# Altium PCB Cell_121.PcbDoc (part 1 of 3)
Units mm, origin at the board's own origin, x right, y up, seen from the top; angles counter-clockwise.
Board outline 240 x 140.7 mm, 2 copper layers (Top Layer, Bottom Layer); 104 components, 188 nets, 1002 pads, 411 vias.
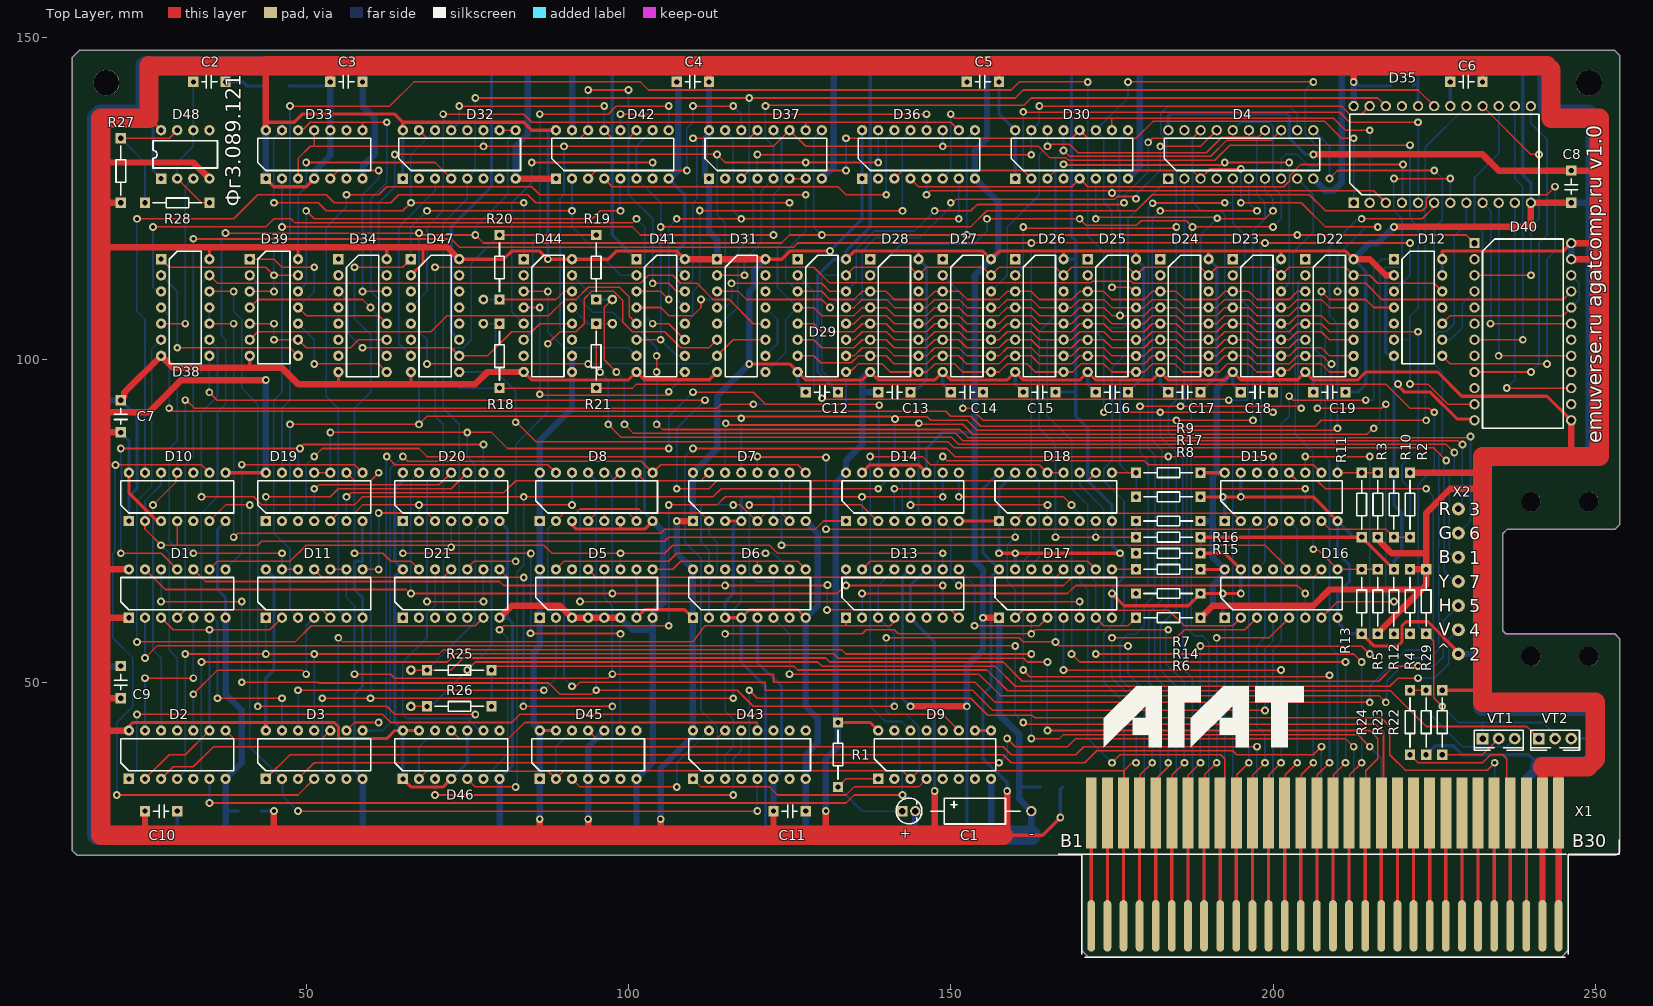
[diagram p0: Top Layer view]
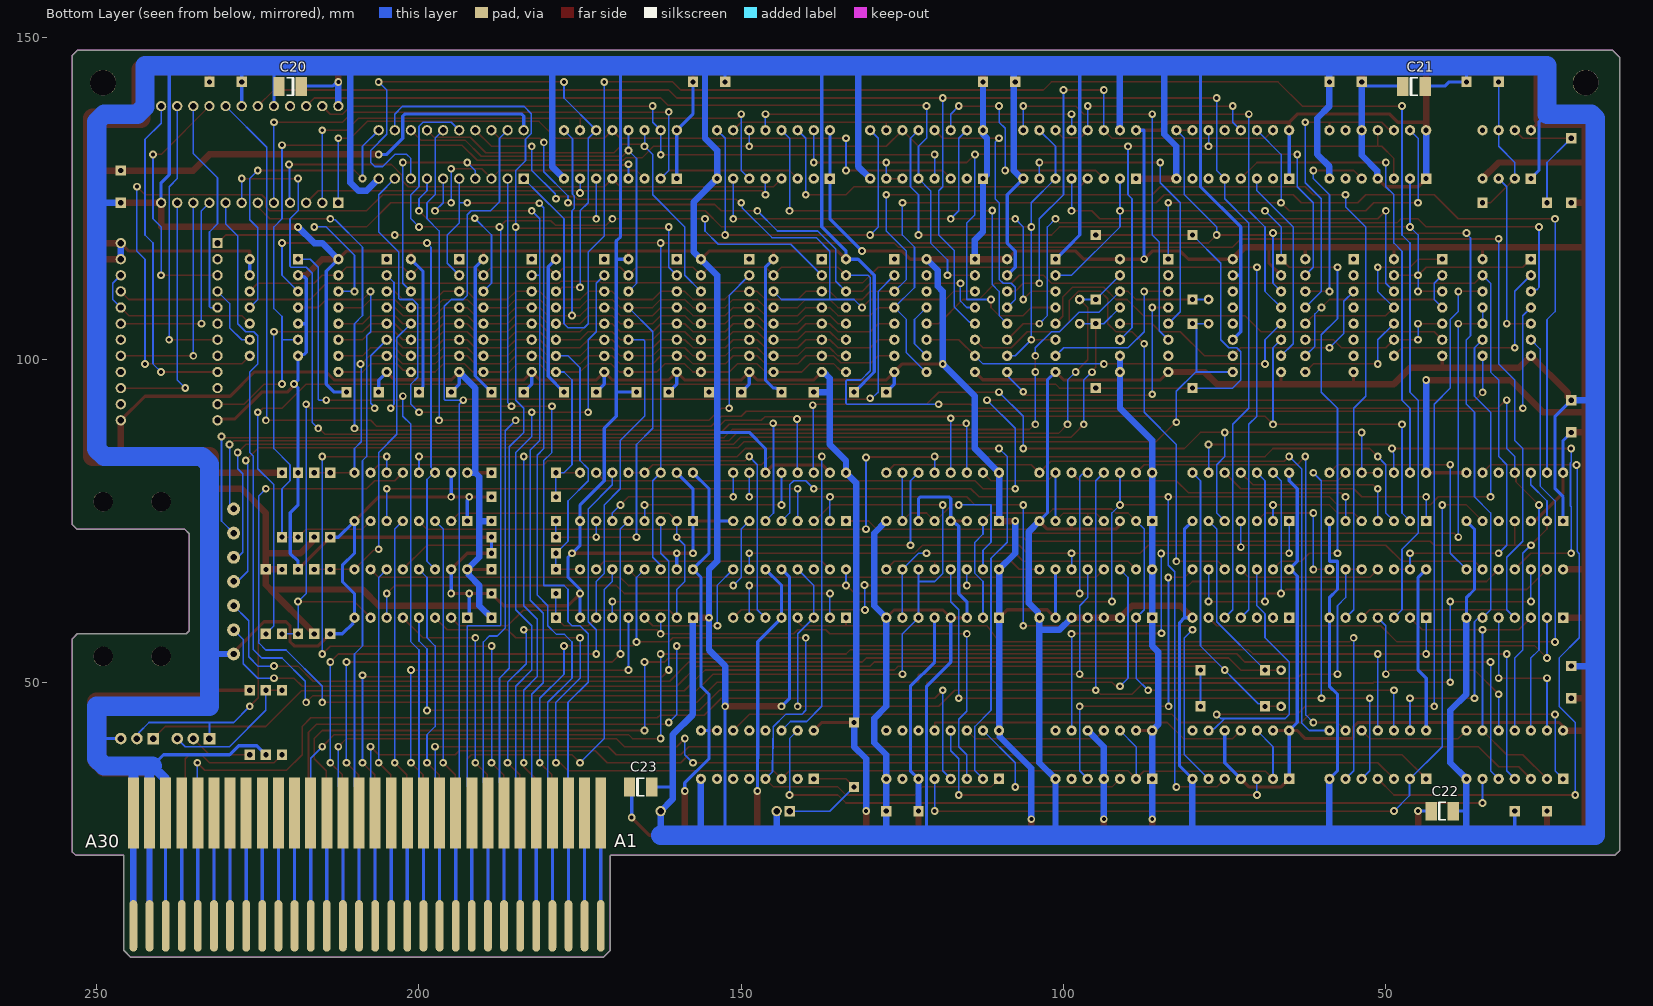
[diagram p1: Bottom Layer view, seen from below]
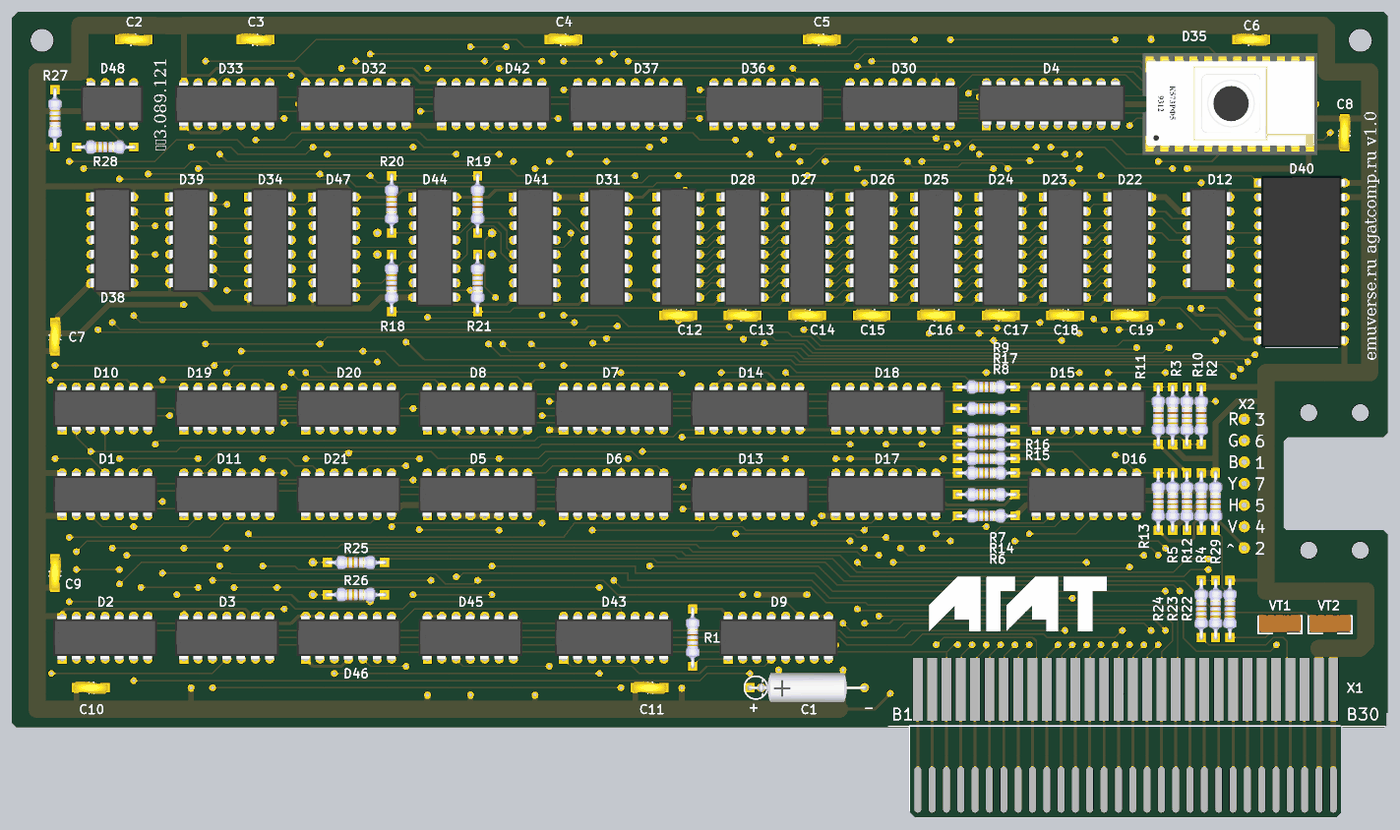
[diagram p4: 3D render of the assembled board from above, using the file's embedded part models]
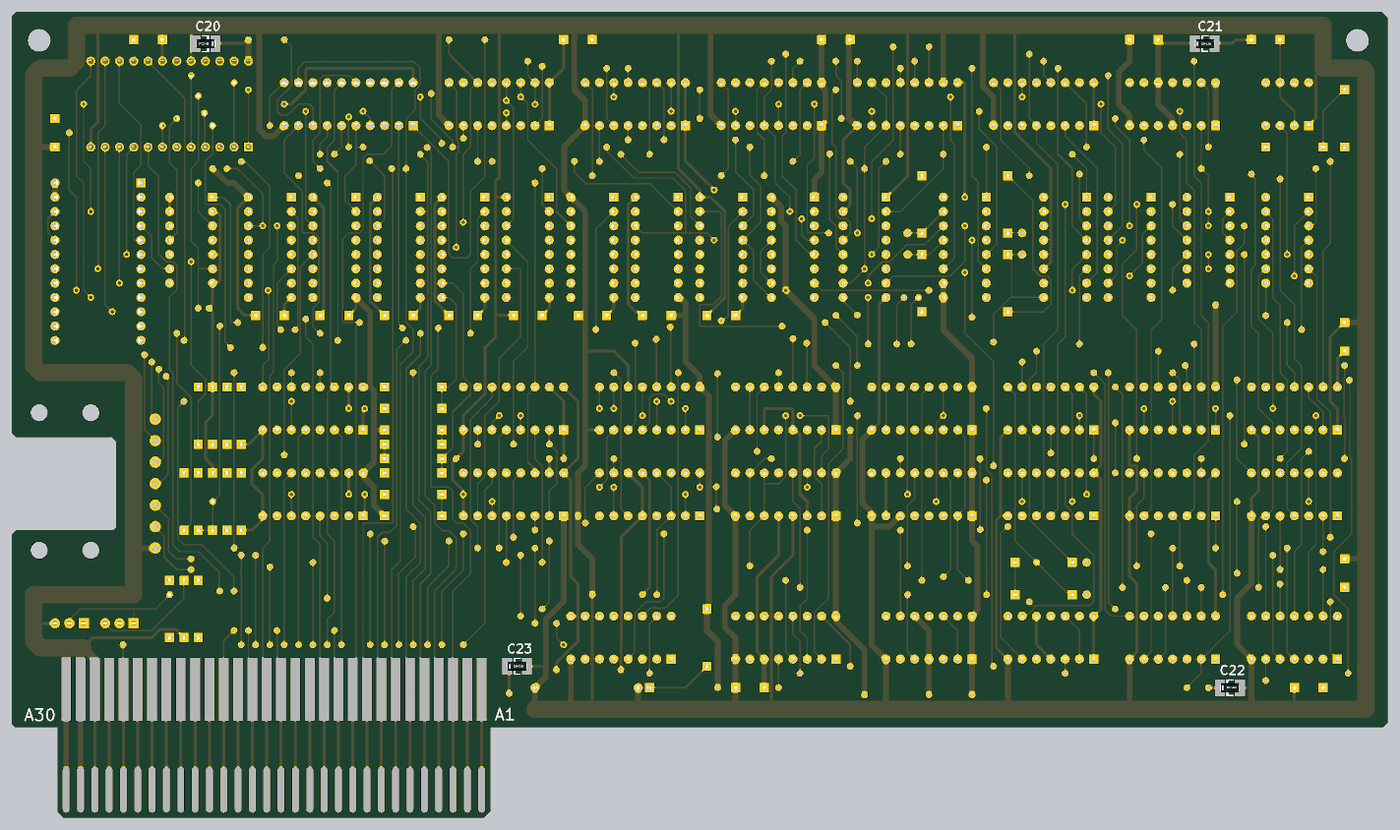
[diagram p5: 3D render of the assembled board from below, using the file's embedded part models]

## Layer stack, top to bottom
Top Solder: solder mask 0.0102, Solder Resist, Dk 3.5
Top Layer: signal copper 0.0356
Dielectric 1: dielectric 0.32, FR-4, Dk 4.8
Bottom Layer: signal copper 0.0356
Bottom Solder: solder mask 0.0102, Solder Resist, Dk 3.5

## Board outline
170.275,23.125 170.3,23.1 170.3,8.4 171.4,7.3 244.7,7.3 245.8,8.4 245.8,23.125 253.225,23.125 253.75,23.65 253.75,56.75 253,57.5 236.1,57.5 235.625,57.975 235.625,73.025 236.35,73.75 253.05,73.75 253.75,74.45 253.75,147.25 253,148 14.8,148 13.75,146.95 13.75,23.85 14.475,23.125

## Design rules (kind name [scope] priority, off if disabled: settings)
Clearance [All] p1: gap=0.2 ignorepadtopadclearanceinfootprint=FALSE except(0: Arc-Hole Track-Hole SMDPad-Hole THPad-Hole Via-Hole Fill-Hole Poly-Hole Region-Hole Text-Hole; 0.15: Arc-THPad Track-THPad)
HoleSize [All] p1: absolutevalues=TRUE maxlimit=4 minlimit=0.025 maxpercent=80.000 minpercent=20.000
MinimumSolderMaskSliver [All] p1: minsoldermaskwidth=0.15
PolygonConnect [All] p1: connectstyle=Relief reliefconductorwidth=0.254 reliefentries=4 polygonreliefangle="90 Angle" airgapwidth=0.254
RoutingVias [All] p1: holewidth=0.6 width=1.2 viastyle="Through Hole" minholewidth=0.5 minwidth=1.2 maxholewidth=1 maxwidth=1.5
SilkToSilkClearance [All] p1 off: silktosilkclearance=0.254
SilkToSolderMaskClearance [IsPad] p1 off: minsilkscreentomaskgap=0.2 clearancetoexposedcopper=TRUE
SolderMaskExpansion [All] p1: expansion=0.102 istentingtop=FALSE
Width [All] p1: maxlimit=5 minlimit=0.2 preferedwidth=0.25
26 further rules are at their usual default settings.

## Components (designator, comment, footprint, x,y, rotation, side; value= is the part's Value field where it differs from the comment)
C1 "10,0" CP25 142.5,30 r90 top
C2 "0,15" C5 32.5,143.125 r90 top
C3 "0,1 мкф" C5 53.75,143.125 r90 top
C4 "0,1 мкф" C5 107.5,143.125 r90 top
C5 "0,1 мкф" C5 152.5,143.125 r90 top
C6 "0,1 мкф" C5 227.5,143.125 r90 top
C7 "0,1 мкф" C5 21.25,88.75 r180 top
C8 "0,1 мкф" C5 246.25,124.375 r180 top
C9 "0,1 мкф" C5 21.25,47.5 r180 top
C10 "0,1 мкф" C5 30,30 r270 top
C11 "0,1 мкф" C5 127.5,30 r270 top
C12 "0,1 мкф" C5 132.5,95 r270 top
C13 "0,1 мкф" C5 143.75,95 r270 top
C14 "0,1 мкф" C5 155,95 r270 top
C15 "0,1 мкф" C5 166.25,95 r270 top
C16 "0,1 мкф" C5 177.5,95 r270 top
C17 "0,1 мкф" C5 188.75,95 r270 top
C18 "0,1 мкф" C5 200,95 r270 top
C19 "0,1 мкф" C5 211.25,95 r270 top
C20 "47 мкф" "SMD D" 219.991,142.411 r0 bottom
C21 "47 мкф" "SMD D" 45.632,142.421 r180 bottom
C22 "47 мкф" "SMD D" 41.25,30 r180 bottom
C23 "47 мкф" "SMD D" 165.625,33.75 r180 bottom
D1 "К555ЛИ1" 201.14 22.5,60 r90 top
D2 "К555ЛЕ1" 201.14 22.5,35 r90 top
D3 "К555ЛН1" 201.14 43.75,35 r90 top
D4 "К555ИР22" 201.20 183.75,128.125 r90 top
D5 "К555ИЕ10" 201.16 86.25,60 r90 top
D6 "К555ИЕ10" 201.16 110,60 r90 top
D7 "К555ИЕ10" 201.16 110,75 r90 top
D8 "К555ИЕ10" 201.16 86.25,75 r90 top
D9 "К555ИР11А" 201.16 138.75,35 r90 top
D10 "К555ИР16" 201.14 22.5,75 r90 top
D11 "К555ЛА3" 201.14 43.75,60 r90 top
D12 "К555ЛП5" 201.14 218.75,115.625 r0 top
D13 "К155ИМ3" 201.16 133.75,60 r90 top
D14 "К555КП11" 201.16 133.75,75 r90 top
D15 "К555КП12" 201.16 192.5,75 r90 top
D16 "К555КП12" 201.16 192.5,60 r90 top
D17 "К555КП12" 201.16 157.5,60 r90 top
D18 "К555КП12" 201.16 157.5,75 r90 top
D19 "К555ЛЕ1" 201.14 43.75,75 r90 top
D20 "К555ЛИ3" 201.14 65,75 r90 top
D21 "К555ЛЕ1" 201.14 65,60 r90 top
D22 "К565РУ5" 201.16 205,115.624 r0 top
D23 "К565РУ5" 201.16 193.75,115.625 r0 top
D24 "К565РУ5" 201.16 182.503,115.628 r0 top
D25 "К565РУ5" 201.16 171.247,115.621 r0 top
D26 "К565РУ5" 201.16 160.003,115.628 r0 top
D27 "К565РУ5" 201.16 148.75,115.625 r0 top
D28 "К565РУ5" 201.16 137.5,115.625 r0 top
D29 "К565РУ5" 201.16 126.25,115.625 r0 top
D30 "К555ТМ9" 201.16 160,128.125 r90 top
D31 "К555ТМ9" 201.16 113.75,115.625 r0 top
D32 "К555ИР11А" 201.16 65,128.125 r90 top
D33 "К555ТМ2" 201.14 43.75,128.125 r90 top
D34 "К555ИД4" 201.16 55,115.625 r0 top
D35 "К573РФ2" "2120.24 socket" 212.5,124.375 r90 top
D36 "К555ИР11А" 201.16 136.25,128.125 r90 top
D37 "К555ИР11А" 201.16 112.5,128.125 r90 top
D38 "К555ЛИ1" 201.14 27.5,115.625 r0 top
D39 "К555ЛИ3" 201.14 41.25,115.625 r0 top
D40 "К155ИР13" 2120.24 231.25,118.125 r0 top
D41 "К555КП12" 201.16 101.25,115.625 r0 top
D42 "К555КП12" 201.16 88.75,128.125 r90 top
D43 "К555ИД7" 201.16 110,35 r90 top
D44 "К555ИР11А" 201.16 83.75,115.625 r0 top
D45 "К555ТМ2" 201.14 86.25,35 r90 top
D46 "К555ТМ2" 201.14 65,35 r90 top
D47 "К555КП11" 201.16 66.25,115.625 r0 top
D48 "КР1006ВИ1" 2101.8 27.5,128.125 r90 top
R1 "2,7 к" R10 132.5,33.75 r180 top
R2 "1K" R10 221.25,72.5 r180 top
R3 "1K" R10 216.25,72.5 r180 top
R4 "1K" R10 221.25,57.5 r180 top
R5 "1K" R10 216.25,57.5 r180 top
R6 "1K" R10 178.75,60 r90 top
R7 "1K" R10 178.75,67.5 r90 top
R8 "1K" R10 178.75,75 r90 top
R9 "1K" R10 178.75,82.5 r90 top
R10 "1K" R10 218.75,72.5 r180 top
R11 "1K" R10 213.75,72.5 r180 top
R12 "1K" R10 218.75,57.5 r180 top
R13 "1K" R10 213.75,57.5 r180 top
R14 "1K" R10 178.75,63.75 r90 top
R15 "1K" R10 178.75,70 r90 top
R16 "1K" R10 178.75,72.5 r90 top
R17 "1K" R10 178.75,78.75 r90 top
R18 "1 к" R10 80,105.625 r0 top
R19 "1 к" R10 95,119.375 r0 top
R20 "1,5 к" R10 80,119.375 r0 top
R21 "2,2 к" R10 95,105.625 r0 top
R22 "12 Ом" R10 226.25,38.75 r180 top
R23 "270 Ом" R10 223.75,38.75 r180 top
R24 "560 Ом" R10 221.25,38.75 r180 top
R25 "1,2 к" R10 68.75,51.875 r90 top
R26 "1,2 к" R10 68.75,46.25 r90 top
R27 "12 к" R10 21.25,134.375 r0 top
R28 "3,0 М" R10 25,124.375 r90 top
R29 "1K" R10 223.75,57.5 r180 top
VT1 "КТ315" КТ315 232.5,41.25 r0 top
VT2 "КТ315" КТ315 241.25,41.25 r0 top
X1 "Agat-Ext" AGAT_EXT 12.446,7.03 r0 top
X2 "RGB121" RGB_VIDEO 228.75,76.875 r0 top

## Footprints (in the part's own frame and the unit in brackets; to place one, negate y for a bottom-side part, rotate by r counter-clockwise, add the part's x,y. Pads: shape width x height; smd on the part's side, far side on the other; paste and mask are expansions set on the pad)
201.14 [mm]
  rect 1.6x1.6 hole 0.8: 1(0,0)
  round 1.6 hole 0.8: 2(0,-2.5) 3(0,-5) 4(0,-7.5) 5(0,-10) 6(0,-12.5) 7(0,-15) 8(7.5,-15) 9(7.5,-12.5) 10(7.5,-10) 11(7.5,-7.5) 12(7.5,-5) 13(7.5,-2.5) 14(7.5,0)
  silkscreen extent 1.25,-16.25 6.25,1.25, body extent -0.13,-16.55 7.63,1.55, height 4.5
201.16 [mm]
  rect 1.6x1.6 hole 0.8: 1(0,0)
  round 1.6 hole 0.8: 2(0,-2.5) 3(0,-5) 4(0,-7.5) 5(0,-10) 6(0,-12.5) 7(0,-15) 8(0,-17.5) 9(7.5,-17.5) 10(7.5,-15) 11(7.5,-12.5) 12(7.5,-10) 13(7.5,-7.5) 14(7.5,-5) 15(7.5,-2.5) 16(7.5,0)
  silkscreen extent 1.25,-18.25 6.25,0.63, body extent -0.13,-19.05 7.63,1.55, height 4.5
201.20 [mm]
  rect 1.6x1.6 hole 1: 1(0,0)
  round 1.6 hole 1: 2(0,-2.5) 3(0,-5) 4(0,-7.5) 5(0,-10) 6(0,-12.5) 7(0,-15) 8(0,-17.5) 9(0,-20) 10(0,-22.5) 11(7.5,-22.5) 12(7.5,-20) 13(7.5,-17.5) 14(7.5,-15) 15(7.5,-12.5) 16(7.5,-10) 17(7.5,-7.5) 18(7.5,-5) 19(7.5,-2.5) 20(7.5,0)
  silkscreen extent 1.25,-23.5 6.25,0.63, body extent 0.02,-24.2 7.78,1.4, height 4.5
2101.8 [mm]
  rect 1.6x1.6 hole 0.8: 1(0,0)
  round 1.6 hole 0.8: 2(0,-2.5) 3(0,-5) 4(0,-7.5) 5(7.5,-7.5) 6(7.5,-5) 7(7.5,-2.5) 8(7.5,0)
  silkscreen extent 1.63,-8.75 5.87,1.25, body extent -0.13,-9.1 7.63,1.7, height 4.5
2120.24 [mm]
  rect 1.6x1.6 hole 1: 1(0,0)
  round 1.6 hole 1: 2(0,-2.5) 3(0,-5) 4(0,-7.5) 5(0,-10) 6(0,-12.5) 7(0,-15) 8(0,-17.5) 9(0,-20) 10(0,-22.5) 11(0,-25) 12(0,-27.5) 13(15,-27.5) 14(15,-25) 15(15,-22.5) 16(15,-20) 17(15,-17.5) 18(15,-15) 19(15,-12.5) 20(15,-10) 21(15,-7.5) 22(15,-5) 23(15,-2.5) 24(15,0)
  silkscreen extent 1.25,-28.75 13.75,0.63, body extent -0.15,-28.75 15.15,1.25, height 5.5
"2120.24 socket" [mm]
  rect 1.6x1.6 hole 1: 1(0,0)
  round 1.6 hole 1: 2(0,-2.5) 3(0,-5) 4(0,-7.5) 5(0,-10) 6(0,-12.5) 7(0,-15) 8(0,-17.5) 9(0,-20) 10(0,-22.5) 11(0,-25) 12(0,-27.5) 13(15,-27.5) 14(15,-25) 15(15,-22.5) 16(15,-20) 17(15,-17.5) 18(15,-15) 19(15,-12.5) 20(15,-10) 21(15,-7.5) 22(15,-5) 23(15,-2.5) 24(15,0)
  silkscreen extent 1.25,-28.75 13.75,0.63, body extent -1.39,-28.98 16.39,1.5, height 8.2
AGAT_EXT [mm]
  rrect100% 1.2x8 smd far side: A1(159.354,5.17) A2(161.854,5.17) A3(164.354,5.17) A4(166.854,5.17) A5(169.354,5.17) A6(171.854,5.17) A7(174.354,5.17) A8(176.854,5.17) A9(179.354,5.17) A10(181.854,5.17) A11(184.354,5.17) A12(186.854,5.17) A13(189.354,5.17) A14(191.854,5.17) A15(194.354,5.17) A16(196.854,5.17) A17(199.354,5.17) A18(201.854,5.17) A19(204.354,5.17) A20(206.854,5.17) A21(209.354,5.17) A22(211.854,5.17) A23(214.354,5.17) A24(216.854,5.17) A25(219.354,5.17) A26(221.854,5.17) A27(224.354,5.17) A28(226.854,5.17) A29(229.354,5.17) A30(231.854,5.17)
  rect 1.7x11 smd far side: A1(159.354,22.67) A2(161.854,22.67) A3(164.354,22.67) A4(166.854,22.67) A5(169.354,22.67) A6(171.854,22.67) A7(174.354,22.67) A8(176.854,22.67) A9(179.354,22.67) A10(181.854,22.67) A11(184.354,22.67) A12(186.854,22.67) A13(189.354,22.67) A14(191.854,22.67) A15(194.354,22.67) A16(196.854,22.67) A17(199.354,22.67) A18(201.854,22.67) A19(204.354,22.67) A20(206.854,22.67) A21(209.354,22.67) A22(211.854,22.67) A23(214.354,22.67) A24(216.854,22.67) A25(219.354,22.67) A26(221.854,22.67) A27(224.354,22.67) A28(226.854,22.67) A29(229.354,22.67) A30(231.854,22.67)
  rrect100% 1.2x8 smd: B1(159.354,5.17) B2(161.854,5.17) B3(164.354,5.17) B4(166.854,5.17) B5(169.354,5.17) B6(171.854,5.17) B7(174.354,5.17) B8(176.854,5.17) B9(179.354,5.17) B10(181.854,5.17) B11(184.354,5.17) B12(186.854,5.17) B13(189.354,5.17) B14(191.854,5.17) B15(194.354,5.17) B16(196.854,5.17) B17(199.354,5.17) B18(201.854,5.17) B19(204.354,5.17) B20(206.854,5.17) B21(209.354,5.17) B22(211.854,5.17) B23(214.354,5.17) B24(216.854,5.17) B25(219.354,5.17) B26(221.854,5.17) B27(224.354,5.17) B28(226.854,5.17) B29(229.354,5.17) B30(231.854,5.17)
  rect 1.7x11 smd: B1(159.354,22.67) B2(161.854,22.67) B3(164.354,22.67) B4(166.854,22.67) B5(169.354,22.67) B6(171.854,22.67) B7(174.354,22.67) B8(176.854,22.67) B9(179.354,22.67) B10(181.854,22.67) B11(184.354,22.67) B12(186.854,22.67) B13(189.354,22.67) B14(191.854,22.67) B15(194.354,22.67) B16(196.854,22.67) B17(199.354,22.67) B18(201.854,22.67) B19(204.354,22.67) B20(206.854,22.67) B21(209.354,22.67) B22(211.854,22.67) B23(214.354,22.67) B24(216.854,22.67) B25(219.354,22.67) B26(221.854,22.67) B27(224.354,22.67) B28(226.854,22.67) B29(229.354,22.67) B30(231.854,22.67)
  Top Layer lines w0.5: 159.354,8.97 159.354,18 ; 161.854,8.77 161.854,18 ; 164.354,8.87 164.354,18 ; 166.5,18 166.854,17.646 166.854,8.77 ; 169.354,8.77 169.354,18 ; 171.854,8.97 171.854,17.5 ; 174.354,8.87 174.354,17.5 ; 176.854,8.77 176.854,17.5 ; 179.354,9.27 179.354,17.5 ; 181.854,8.97 181.854,17.5 ; 184.354,9.07 184.354,17.5 ; 186.854,8.77 186.854,17.5 ; 189.354,8.77 189.354,17.5 ; 191.854,8.77 191.854,17.5 ; 194.354,8.77 194.354,17.5 ; 196.854,8.77 196.854,17.5 ; 199.354,8.77 199.354,17.5 ; 201.854,8.77 201.854,17.5 ; 204.354,8.77 204.354,17.5 ; 206.854,8.77 206.854,17.5 ; 209.354,8.77 209.354,17.5 ; 211.854,8.87 211.854,17.5 ; 214.354,8.77 214.354,17.5 ; 216.854,8.97 216.854,17.5 ; 219.354,8.77 219.354,17.5 ; 221.854,8.77 221.854,17.5 ; 224.354,8.87 224.354,17.5 ; 226.854,8.77 226.854,17.5
  Top Layer lines w1: 229.354,8.77 229.354,17.5 ; 231.854,8.77 231.854,17.5
  Bottom Layer lines w0.5: 159.354,8.97 159.354,17.5 ; 161.854,8.77 161.854,17.5 ; 164.354,8.97 164.354,18 ; 166.854,8.77 166.854,17.5 ; 169.354,8.77 169.354,17.5 ; 171.854,8.87 171.854,18 ; 174.354,8.97 174.354,17.5 ; 176.854,8.77 176.854,17.5 ; 179.354,9.07 179.354,17.5 ; 181.854,9.17 181.854,17.5 ; 184.354,8.87 184.354,18 ; 186.854,8.77 186.854,17.5 ; 189.354,8.77 189.354,18 ; 191.854,8.77 191.854,17.5 ; 194.354,8.77 194.354,17.5 ; 196.854,8.77 196.854,18 ; 199.354,8.77 199.354,18 ; 201.854,8.77 201.854,18 ; 204.354,8.77 204.354,17.5 ; 206.854,8.77 206.854,17.5 ; 209.354,8.77 209.354,17.5 ; 211.854,8.87 211.854,18 ; 214.354,8.77 214.354,17.5 ; 216.854,8.87 216.854,17.5 ; 219.354,8.77 219.354,17.5 ; 221.854,8.77 221.854,17.5 ; 224.354,8.87 224.354,18 ; 226.854,8.77 226.854,17.5
  Bottom Layer lines w1: 229.354,8.77 229.354,18 ; 231.854,8.77 231.854,17.5
  silkscreen extent 154.27,0.27 241.3,18.5
C5 [mm]
  rect 1.6x1.6 hole 0.8: 1(0,0) 2(0,-5)
  silkscreen extent -1,-3.7 1,-1.3, body extent -1.05,-5.54 1.05,0.46, height 8.1
CP25 [mm]
  rect 1.6x1.6 hole 1: 1(0,0)
  round 1.6 hole 1: 2(0,-2) 2(0,-20)
  silkscreen extent -2,-18.3 2,-4.4, body extent -2.56,-20.42 2.56,0.42, height 5.86
R10 [mm]
  rect 1.6x1.6 hole 0.8: 1(0,0) 2(0,-10)
  silkscreen extent -0.75,-8.8 0.75,-1.2, body extent -1.2,-10.38 1.18,0.38, height 2.41
RGB_VIDEO [mm]
  round 2 hole 1: 1(0,-7.5) 2(0,-22.5) 3(0,0) 4(0,-18.75) 5(0,-15) 6(0,-3.75) 7(0,-11.25)
  body extent -0.5,-23 0.5,0.5, height 7
"SMD D" [mm] "Chip Capacitor; Body 3.81 x 2.54 mm (LxW typ)"
  rect 1.75x2.9 smd: 1(-1.725,0) 2(1.725,0)
  silkscreen extent -0.55,-1.35 0.55,1.35, body extent -1.7,-0.8 1.7,0.8, height 1.9
КТ315 [mm]
  rect 1.8x1.8 hole 1: B(0,0)
  round 1.8 hole 1: C(2.5,0) E(5,0)
  silkscreen extent -1.3,-1.8 6.3,1.3, body extent -1.1,-1.5 6.1,1.5, height 7.5

## Part data
C1: library part К53-14, "К53-14"
C2 C3 C4 C5 C6 C7 C8 C9 C10 C11 C12 C13 C14 C15 C16 C17 C18 C19: library part К10-17, "К10-17"
C20 C21 C22 C23: library part К53-1, "К53-14"
D2 D19 D20 D21 D39: ManufacturerPartNumber=К555ЛА3
D3: ManufacturerPartNumber=К155ЛН1
D5 D6 D7 D8 D9 D10 D32 D36 D37 D44: ManufacturerPartNumber=КР531ИЕ17
D12: ManufacturerPartNumber=К155ЛП5
D13 D43: ManufacturerPartNumber=SN74ALS138
D15 D16 D17 D18 D41 D42: ManufacturerPartNumber=К155КП2
D30 D31: ManufacturerPartNumber=SN74ALS174
D48: ManufacturerPartNumber=К555ИД4
R1 R2 R3 R4 R5 R6 R7 R8 R9 R10 R11 R12 R13 R14 R15 R16 R17 R18 R19 R20 R21 R22 R23 R24 R25 R26 R27 R28 R29: library part С2-23, "Резистор"
D1 D38: ManufacturerPartNumber=К555ЛИ1
D11: ManufacturerPartNumber=К555ЛА3
D14 D47: ManufacturerPartNumber=К555КП11
D22 D23 D24 D25 D26 D27 D28 D29: ManufacturerPartNumber=К565РУ5
D34: ManufacturerPartNumber=К555ИД4

## Free pads (board coordinates)
  round 4 hole 4 unplated: 0(19,143) 0(249,143)
  round 3 hole 3 unplated: 0(240,54) 0(240,78) 0(249,54) 0(249,78)
  round 1.5 hole 0.8: 1(66.25,46.25) 1(66.25,51.875) 1(77.5,105.625) 1(77.5,109.375) 1(97.5,105.625) 1(97.5,109.375)

## Via types
v1: diameter 1.2, hole 0.6, Top Layer to Bottom Layer, 411 vias

## Nets (pads, with @x,y where several pads share a name; then routed paths per layer and width w, separated by ;. In a path a pad name is that pad's centre, name@x,y a point inside that pad or via, vN(x,y) a via of type N, cw(c..) or ccw(c..) an arc to the next point about the centre after c; other vN are vias at no path point)
A0: D9.3 D16.3 D45.2 D45.12 D46.2 D46.12 X1.B3 | length 178.6
  Top Layer w0.25: D46.2@67.5,35 68.679,36.179 87.571,36.179 D45.2@88.75,35 90,36.25 142.5,36.25 D9.3@143.75,35 145,36.25 176.875,36.25 ; v1(175,56.875) 185,56.875 186.25,58.125 195.625,58.125 D16.3@197.5,60 ; X1.B3@176.875,33.75 176.875,36.25 ; v1(178.75,37.5) 178.125,37.5 176.875,36.25
  Bottom Layer w0.25: D46.2@67.5,35 67.5,40 D46.12@70,42.5 ; D45.2@88.75,35 88.75,40 D45.12@91.25,42.5 ; v1(175,56.875) 175,50.625 178.75,46.875 v1(178.75,37.5)
A1: D9.4 D17.13 D43.1 X1.B4 | length 138.2
  Top Layer w0.25: D43.1@110,35 111.25,33.75 121.875,33.75 123.125,32.5 133.75,32.5 135,33.75 140.625,33.75 145,33.75 D9.4@146.25,35 ; v1(140,56.875) 160.625,56.875 161.25,56.25 v1(166.25,56.25) 166.25,56.172 166.797,55.625 v1(177.5,55.625) ; X1.B4@179.375,33.125 179.375,35.625 v1(181.25,37.5)
  Bottom Layer w0.25: 140,56.25 140,45.625 140.625,45 143.125,45 145.022,43.103 145.156,36.193 145.158,36.092 145.229,36.021 D9.4@146.25,35 ; D17.13@165,67.5 166.25,66.25 v1(166.25,56.25) ; v1(177.5,55.625) 177.5,51.25 181.25,47.5 v1(181.25,37.5)
A2: D15.13 D43.2 X1.B5 | length 201.8
  Top Layer w0.25: v1(110,86.25) 149.375,86.25 150.625,85 v1(183.75,85) v1(200,85) ; X1.B5@181.875,33.125 181.875,35 183.75,36.875 v1(183.75,37.5)
  Bottom Layer w0.25: v1(110,86.25) 108.75,85 108.75,71.729 111.25,69.229 111.25,45.625 113.75,43.125 113.75,36.25 D43.2@112.5,35 ; v1(183.75,37.5) 183.75,48.75 181.633,50.867 181.633,59.758 183.75,61.875 v1(183.75,85) ; D15.13@200,82.5 v1(200,85)
A3: D17.3 D43.3 X1.B6 | length 122.7
  Top Layer w0.25: v1(115,57.5) 136.25,57.5 136.875,58.125 141.25,58.125 141.875,57.5 v1(162.5,57.5) 163.125,58.125 v1(183.75,58.125) ; X1.B6@184.375,33.125 184.375,35.625 v1(186.25,37.5)
  Bottom Layer w0.25: D43.3@115,35 115,38.75 116.25,40 116.25,44.229 115,45.479 v1(115,57.5) ; v1(162.5,57.5) D17.3@162.5,60 ; v1(183.75,58.125) 183.75,57.878 183.376,57.504 183.376,52.874 186.25,50 v1(186.25,37.5)
A4: D15.11 X1.B7 | length 93.2
  Top Layer w0.25: X1.B7@186.875,33.125 186.875,35.625 v1(188.75,37.5) ; v1(188.721,55.596) 213.779,55.596 v1(215,54.375) ; v1(205,85) v1(215,85)
  Bottom Layer w0.25: v1(188.721,55.596) 188.735,55.581 188.735,37.515 v1(188.75,37.5) ; D15.11@205,82.5 v1(205,85) ; v1(215,54.375) v1(215,85)
A5: D16.5 X1.B8 | length 37.1
  Top Layer w0.25: X1.B8@189.375,33.125 189.375,35.625 v1(191.25,37.5) ; v1(191.25,56.875) 199.375,56.875 D16.5@202.5,60
  Bottom Layer w0.25: v1(191.25,37.5) v1(191.25,56.875)
A6: D17.11 X1.B9 | length 55.6
  Top Layer w0.25: v1(175,37.5) 176.25,38.75 191.875,38.75 192.5,38.125 192.5,35 191.875,34.375 X1.B9@191.875,33.125
  Bottom Layer w0.25: D17.11@170,67.5 170,65.625 171.25,64.375 171.25,41.25 v1(175,37.5)
A7: D15.3 X1.B10 | length 43.2
  Top Layer w0.25: X1.B10@194.375,33.125 194.375,35.625 v1(196.25,37.5)
  Bottom Layer w0.25: v1(196.25,37.5) 196.25,73.75 D15.3@197.5,75
A8: D16.13 X1.B11 | length 36.7
  Top Layer w0.25: X1.B11@196.875,33.125 196.875,35.625 v1(198.75,37.5)
  Bottom Layer w0.25: v1(198.75,37.5) 198.75,41.875 197.5,43.125 197.5,55.625 198.75,56.875 198.75,66.25 D16.13@200,67.5
A9: D17.5 X1.B12 | length 61.4
  Top Layer w0.25: v1(167.5,51.875) v1(201.25,51.875) ; X1.B12@199.375,33.125 199.375,35.625 v1(201.25,37.5)
  Bottom Layer w0.25: v1(167.5,51.875) D17.5@167.5,60 ; v1(201.25,37.5) v1(201.25,51.875)
A10: D15.5 X1.B13 | length 43.2
  Top Layer w0.25: X1.B13@201.875,33.125 201.875,35.625 v1(203.75,37.5)
  Bottom Layer w0.25: D15.5@202.5,75 203.75,73.75 v1(203.75,37.5)
A11: D16.11 X1.B14 | length 35.7
  Top Layer w0.25: X1.B14@204.375,33.125 204.375,35.625 v1(206.25,37.5)
  Bottom Layer w0.25: D16.11@205,67.5 206.25,66.25 v1(206.25,37.5)
A12: D18.3 X1.B15 | length 90.4
  Top Layer w0.25: v1(161.25,51.875) 162.274,50.851 208.129,50.851 208.171,50.893 208.568,50.893 v1(208.75,51.075) ; X1.B15@206.875,33.125 206.875,35.625 v1(208.75,37.5)
  Bottom Layer w0.25: v1(161.25,51.875) 161.25,68.75 162.5,70 D18.3@162.5,75 ; v1(208.75,37.5) v1(208.75,51.075)
A13: D18.5 X1.B16 | length 84.3
  Top Layer w0.25: v1(168.75,54.375) 170,53.125 v1(211.25,53.125) ; X1.B16@209.375,33.125 209.375,35.625 v1(211.25,37.5)
  Bottom Layer w0.25: D18.5@167.5,75 168.75,73.75 v1(168.75,54.375) ; v1(211.25,37.5) 211.25,52.5
A14: D18.11 X1.B17 | length 92.7
  Top Layer w0.25: v1(172.5,54.375) 212.5,54.375 v1(213.75,53.125) ; X1.B17@211.875,33.125 211.875,35.625 v1(213.75,37.5)
  Bottom Layer w0.25: D18.11@170,82.5 170,80.625 173.75,76.875 173.75,59.375 172.5,58.125 v1(172.5,54.375) ; v1(213.75,37.5) v1(213.75,53.125)
A15: D2.5 X1.B18 | length 221.6
  Top Layer w0.25: v1(33.75,53.125) 71.869,53.125 73.14,54.396 131.854,54.396 132.558,53.692 161.308,53.692 161.875,53.125 v1(165,53.125) ; v1(165,42.5) 215,42.5 216.25,41.25 216.25,38.125 214.375,36.25 X1.B18@214.375,33.125
  Bottom Layer w0.25: D2.5@32.5,35 33.75,36.25 v1(33.75,53.125) ; v1(165,42.5) 165,52.5
C050: D21.8 D45.5 | length 49.9
  Top Layer w0.25: D21.8@80,67.5 81.25,66.25 v1(83.75,66.25) ; v1(83.7,46.25) v1(97.5,46.25)
  Bottom Layer w0.25: v1(83.7,46.25) 83.725,46.275 83.725,66.225 v1(83.75,66.25) ; D45.5@96.25,35 97.5,36.25 v1(97.5,46.25)
C052: D20.1 D45.9 | length 66.3
  Top Layer w0.25: v1(65,70) 65.013,69.987 84.842,69.987 v1(84.855,69.974) ; v1(84.79,57.599) 84.84,57.55 98.7,57.55 v1(98.75,57.5)
  Bottom Layer w0.25: v1(65,70) D20.1@65,75 ; v1(84.79,57.599) 84.823,57.632 84.823,69.941 v1(84.855,69.974) ; D45.9@98.75,42.5 v1(98.75,57.5)
C056: D21.12 D38.12 D46.9 | length 143.6
  Top Layer w0.25: D38.12@34.994,110.617 D38.12@35,110.625 v1(38.75,110.625) ; v1(42.5,46.25) 62.5,46.25 63.75,45 v1(76.25,45)
  Bottom Layer w0.25: v1(38.75,110.625) 38.75,107.5 40,106.25 40,95.625 42.5,93.125 v1(42.5,46.25) ; D21.12@70,67.5 70,61.875 68.75,60.625 68.75,56.875 65,53.125 65,45 65.625,44.375 75,44.375 ; v1(76.25,45) 75.625,44.375 75,44.375 ; D46.9@77.5,42.5 77.242,42.758 76.617,42.758 75,44.375
D0: D4.2 D22.2 X1.A3 | length 148.5
  Top Layer w0.25: v1(179.375,92.8) 185.325,92.8 v1@185.625,92.5 ; v1(185.625,92.8) v1@185.625,92.5 ; v1(204.375,92.5) 204.118,92.5 203.818,92.8 185.925,92.8 v1@185.625,92.5
  Bottom Layer w0.25: X1.A3@177.5,34.375 176.875,35 176.875,46.875 173.75,50 173.75,57.5 175,58.75 176.25,58.75 176.875,59.375 176.875,64.375 177.5,65 180.625,65 180.625,84.375 179.375,85.625 v1(179.375,92.8) ; v1(185.625,92.8) 186.25,93.425 D4.2@186.25,128.125 ; v1(204.375,92.5) 204.375,92.621 203.875,93.121 203.875,111.999 D22.2@204.994,113.117
D0L: D30.2 D35.5 D36.3 | length 107.6
  Top Layer w0.25: D36.3@141.25,128.125 142.5,129.375 161.25,129.375 D30.2@162.5,128.125 ; v1(161.25,138.479) 161.333,138.396 210.354,138.396 211.875,136.875 v1(222.5,136.875)
  Bottom Layer w0.25: v1(161.25,138.479) 161.25,129.375 D30.2@162.5,128.125 ; D35.5@222.5,124.375 v1(222.5,136.875)
D0V: D34.15 D36.15 D37.6 D37.7 D41.4 | length 144.9
  Top Layer w0.25: v1(63.75,131.875) v1(113.75,131.875) 115,130.625 v1(138.75,130.625) ; D41.4@101.25,108.125 105,108.125 106.25,106.875 110,106.875 111.25,108.125 v1(111.25,109.375) ; D37.6@125,128.125 D37.7@127.5,128.125
  Bottom Layer w0.25: D34.15@62.5,113.125 61.256,114.369 61.256,124.381 63.75,126.875 v1(63.75,131.875) ; v1(111.25,109.375) 115,109.375 115,121.25 113.75,122.5 v1(113.75,131.875) ; D37.7@127.5,128.125 v1(127.5,130.625) ; v1(138.75,130.625) D36.15@138.75,135.625
D1: D4.5 D23.2 X1.A4 | length 129.1
  Top Layer w0.25: v1(181.317,124.308) 181.351,124.341 192.466,124.341 v1(192.5,124.375)
  Bottom Layer w0.25: X1.A4@179.3,29.7 180,30.4 180,46.875 176.25,50.625 176.25,56.25 177.413,57.413 178.663,57.413 180,58.75 180,61.875 181.652,63.527 181.652,85.223 180.625,86.25 180.625,123.615 v1(181.317,124.308) ; v1(192.5,124.375) 193.75,124.375 ; D23.2@193.75,113.125 195.625,115 195.625,119.375 193.75,121.25 193.75,124.375 ; D4.5@193.75,128.125 193.75,124.375
D1L: D30.5 D35.4 D36.4 | length 85.9
  Top Layer w0.25: D36.4@143.75,128.125 145,126.875 168.75,126.875 D30.5@170,128.125 171.25,126.875 201.667,126.875 202.571,127.779 202.571,128.613 204.271,130.313 v1(220.178,130.313)
  Bottom Layer w0.25: D35.4@220,124.375 220.089,124.464 220.089,130.224 v1(220.178,130.313)
D1V: D36.14 D42.4 | length 55.3
  Top Layer w0.25: D42.4@96.25,128.125 97.5,126.875 132.5,126.875 133.75,125.625 v1(140,125.625)
  Bottom Layer w0.25: v1(140,125.625) 140,134.375 D36.14@141.25,135.625
D2: D4.6 D24.2 X1.A5 | length 118.2
  Top Layer w0.25: v1(182.5,123.125) v1(197.5,123.125)
  Bottom Layer w0.25: X1.A5@181.8,29.7 182.5,30.4 182.5,48.125 180.715,49.91 180.715,60.715 182.72,62.72 182.72,86.03 181.25,87.5 181.25,113.125 ; v1(182.5,123.125) 181.25,121.875 181.25,113.125 ; D24.2@182.503,113.128 181.253,113.128 181.25,113.125 ; D4.6@196.25,128.125 196.25,124.375 v1(197.5,123.125)
D2L: D30.7 D35.3 D36.5 | length 77.2
  Top Layer w0.25: v1(146.25,125.625) 146.25,125.703 146.797,126.25 174.389,126.25 174.561,126.078 174.828,126.078 175,126.25 215.625,126.25 D35.3@217.5,124.375
  Bottom Layer w0.25: v1(146.25,125.625) D36.5@146.25,128.125 ; v1(175,125.896) D30.7@175,128.125
D2V: D36.13 D41.12 | length 63
  Top Layer w0.25: v1(111.059,123.187) 111.09,123.156 142.469,123.156 v1(142.5,123.125)
  Bottom Layer w0.25: D41.12@108.75,105.625 110,106.875 110,110.625 111.059,111.684 111.059,117.498 v1(111.059,123.187) ; v1(142.5,123.125) 142.5,134.375 D36.13@143.75,135.625
D3: D4.9 D25.2 X1.A6 | length 156
  Top Layer w0.25: v1(173.75,91.875) v1(200,91.875)
  Bottom Layer w0.25: D25.2@171.251,113.125 172.5,111.876 172.5,104.375 173.75,103.125 v1(173.75,91.875) ; v1(182.5,91.875) 182.5,88.125 185,85.625 185,61.25 182.5,58.75 182.5,51.875 185,49.375 185,30.4 X1.A6@184.3,29.7 ; v1(200,91.875) 201.25,93.125 201.25,96.25 200.175,97.325 200.175,108.57 200.98,109.375 202.979,109.375 203.125,109.521 203.125,116.729 206.25,119.854 206.25,125.625 D4.9@203.75,128.125
D3L: D30.10 D35.2 D36.6 | length 89.7
  Top Layer w0.25: v1(150,138.125) 150.625,137.5 175,137.5 ; D30.10@175,135.625 175,137.5 ; v1(215,135.625) 211.25,135.625 209.375,137.5 175,137.5
  Bottom Layer w0.25: D36.6@148.75,128.125 150,129.375 v1(150,138.125) ; D35.2@215,124.375 v1(215,135.625)
D3V: D36.12 D42.12 | length 52.5
  Top Layer w0.25: v1(98.75,138.125) v1(146.25,138.125)
  Bottom Layer w0.25: D42.12@98.75,135.625 v1(98.75,138.125) ; D36.12@146.25,135.625 v1(146.25,138.125)
D4: D4.12 D26.2 X1.A7 | length 163.5
  Top Layer w0.25: v1(161.25,120.625) 161.432,120.443 161.82,120.443 161.871,120.392 184.51,120.392 184.743,120.625 v1(185,120.625)
  Bottom Layer w0.25: D26.2@159.994,113.117 161.25,114.374 v1(161.25,120.625) ; X1.A7@187.5,34.375 187.5,50.625 185.975,52.15 185.975,86.525 183.75,88.75 183.75,92.5 185,93.75 185,129.375 183.479,130.896 183.479,134.229 182.571,135.137 182.571,138.196 183.677,139.302 202.573,139.302 203.75,138.125 D4.12@203.75,135.625
D4L: D30.12 D35.1 D37.3 | length 113.7
  Top Layer w0.25: D37.3@117.5,128.125 118.75,129.375 v1(133.75,129.375) ; v1(133.75,134.375) 168.75,134.375 D30.12@170,135.625 171.25,134.375 178.75,134.375 181.371,136.996 208.004,136.996 210.625,134.375 v1(212.5,134.375)
  Bottom Layer w0.25: v1(133.75,129.375) v1(133.75,134.375) ; D35.1@212.5,124.375 v1(212.5,134.375)
D4V: D36.7 D37.15 D41.3 | length 83.3
  Top Layer w0.25: D41.3@101.25,110.625 105,110.625 v1(106.25,109.375) ; v1(107.5,121.875) v1(117.5,121.875) v1(151.25,121.875)
  Bottom Layer w0.25: v1(106.25,109.375) 106.25,120.625 v1(107.5,121.875) ; D37.15@115,135.625 116.25,134.375 116.25,123.125 v1(117.5,121.875) ; v1(151.25,121.875) D36.7@151.25,128.125
D5: D4.15 D27.2 X1.A8 | length 173.6
  Top Layer w0.25: v1(151.875,92.5) 153.125,92.5 155,90.625 v1(196.904,90.625)
  Bottom Layer w0.25: D27.2@148.75,113.125 151.875,110.001 v1(151.875,92.5) ; v1(185,90.625) 186.609,89.016 186.609,58.391 187.832,57.168 189.082,57.168 190,56.25 X1.A8@190,34.375 ; D4.15@196.25,135.625 197.5,134.375 197.5,125.625 198.75,124.375 198.75,121.875 196.875,120 196.875,90.654 v1(196.904,90.625)
D5L: D30.15 D35.23 D37.4 | length 106.6
  Top Layer w0.25: v1(120,131.875) 120.027,131.848 162.462,131.848 v1(162.489,131.821) ; v1(163.75,139.375) 210.625,139.375 211.875,138.125 213.75,138.125 D35.23@215,139.375
  Bottom Layer w0.25: D37.4@120,128.125 v1(120,131.875) ; v1(162.489,131.821) 162.5,131.833 D30.15@162.5,135.625 163.75,136.875 v1(163.75,139.375)
D5V: D37.14 D42.3 | length 36.7
  Top Layer w0.25: D42.3@93.75,128.125 95,129.375 109.045,129.375 v1(109.057,129.363) ; v1(110,139.375) v1(116.25,139.375)
  Bottom Layer w0.25: v1@109.06,129.366 109.06,135.935 110,136.875 v1(110,139.375) ; v1(116.25,139.375) 117.5,138.125 D37.14@117.5,135.625
D6: D4.16 D28.2 X1.A9 | length 184.1
  Top Layer w0.25: v1(155.625,121.875) v1(170,121.875) 170.979,120.896 178.825,120.896 179.533,121.604 186.521,121.604 v1(187.5,120.625) v1(200,120.625)
  Bottom Layer w0.25: D28.2@137.5,113.125 142.333,117.957 153.582,117.957 155.625,120 v1(155.625,121.875) ; v1(187.5,120.625) 187.318,120.443 187.318,120.033 187.289,120.004 187.289,58.896 187.435,58.75 192.5,58.75 X1.A9@192.5,33.75 ; D4.16@193.75,135.625 195,136.875 199.375,136.875 200,136.25 200,126.875 201.25,125.625 201.25,121.875 v1(200,120.625)
D6L: D31.2 D35.22 D37.5 | length 130.2
  Top Layer w0.25: D31.2@113.75,113.125 113.756,113.131 118.005,113.131 v1(118.011,113.136) ; v1(121.25,139.375) 121.358,139.483 161.358,139.483 162.5,140.625 216.25,140.625 D35.22@217.5,139.375
  Bottom Layer w0.25: v1(118.011,113.136) 118.011,115.511 120.625,118.125 120.625,126.25 D37.5@122.5,128.125 122.5,133.125 121.25,134.375 v1(121.25,139.375)
D6V: D37.13 D41.13 | length 39.6
  Top Layer w0.25: v1(110,134.375) 118.75,134.375 D37.13@120,135.625
  Bottom Layer w0.25: D41.13@108.744,108.117 108.744,108.131 107.5,109.375 107.5,111.25 108.125,111.875 109.375,111.875 110,112.5 110,124.375 110.625,125 110.625,133.75 v1(110,134.375)
D7: D4.19 D29.2 X1.A10 | length 197.1
  Top Layer w0.25: v1(130,94.05) 130.15,93.9 192.975,93.9 v1(193.125,93.75)
  Bottom Layer w0.25: D29.2@126.25,113.125 128.75,110.625 128.75,95 129.134,94.616 129.187,94.616 129.753,94.05 v1(130,94.05) ; D4.19@186.25,135.625 187.5,134.375 187.5,124.521 188.896,123.125 191.875,123.125 192.5,122.5 192.5,110 193.125,109.375 195,109.375 196.075,108.3 196.075,93.896 195.929,93.75 v1(193.125,93.75) 193.75,93.125 193.75,34.375 X1.A10@195,33.125
D7L: D21.5 D31.5 D32.5 D35.19 | length 272.5
  Top Layer w0.25: v1(76.25,140.625) v1(118.75,140.625) 160,140.625 161.25,141.875 222.5,141.875 D35.19@225,139.375
  Bottom Layer w0.25: D21.5@75,60 73.75,61.25 73.75,90 71.25,92.5 71.25,121.25 75,125 D32.5@75,128.125 76.25,129.375 v1(76.25,140.625) ; D31.5@113.75,105.625 114.008,105.883 114.633,105.883 116.96,108.21 116.96,116.96 119.375,119.375 119.375,126.25 118.75,126.875 v1(118.75,140.625)
D7V: D32.13 D42.11 D42.13 | length 36.5
  Top Layer w0.25: v1(73.75,139.375) v1(96.25,139.375) ; D42.13@96.25,135.625 97.429,134.446 100.071,134.446 D42.11@101.25,135.625
  Bottom Layer w0.25: D32.13@72.5,135.625 73.75,136.875 v1(73.75,139.375) ; D42.13@96.25,135.625 v1(96.25,139.375)